# Altium PCB PA_8CH_CTRL.PcbDoc (part 2 of 3)
Units mil, origin at the board's own origin, x right, y up, seen from the top; angles counter-clockwise.
Board outline 10314.96 x 3582.68 mil, 2 copper layers (Top Layer, Bottom Layer); 762 components, 511 nets, 2388 pads, 40 vias.
Unrouted connection lines stored in the file: 1763.
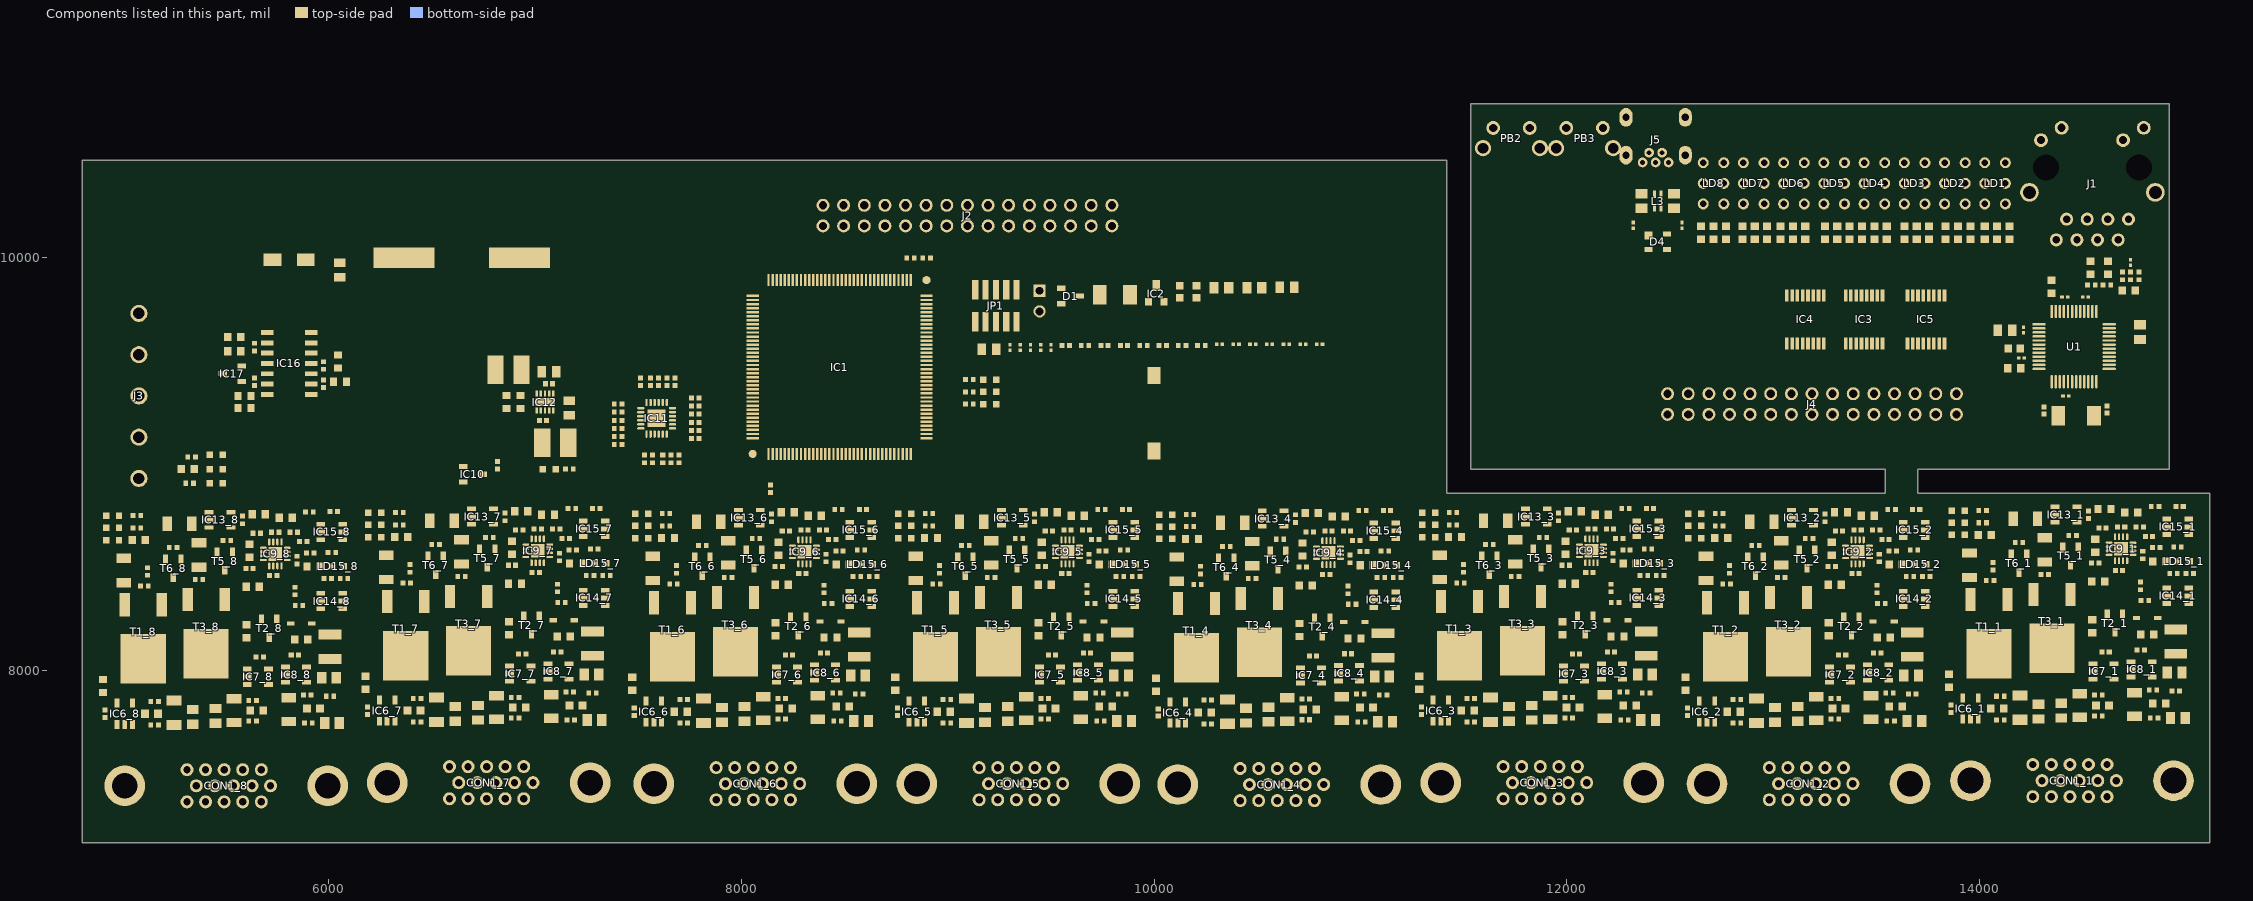
[diagram p2: the components of this part, seen from the top]

## Components (designator, comment, footprint, x,y, rotation, side; value= is the part's Value field where it differs from the comment) (continued)
R55_8 "330" RESC1608X55N 5600,8190 r90 top (schematic designator R55)
R56_1 "330" RESC1608X55N 14562.28,8605 r270 top (schematic designator R56)
R56_2 "330" RESC1608X55N 13285,8590 r270 top (schematic designator R56)
R56_3 "330" RESC1608X55N 11995,8595 r270 top (schematic designator R56)
R56_4 "330" RESC1608X55N 10720,8585.94 r270 top (schematic designator R56)
R56_5 "330" RESC1608X55N 9455,8590 r270 top (schematic designator R56)
R56_6 "330" RESC1608X55N 8180,8590 r270 top (schematic designator R56)
R56_7 "330" RESC1608X55N 6887.28,8595 r270 top (schematic designator R56)
R56_8 "330" RESC1608X55N 5615,8580 r270 top (schematic designator R56)
R57_1 "10k" RESC1005X40N 14792.28,8560 r270 top (schematic designator R57)
R57_2 "10k" RESC1005X40N 13515,8545 r270 top (schematic designator R57)
R57_3 "10k" RESC1005X40N 12225,8550 r270 top (schematic designator R57)
R57_4 "10k" RESC1005X40N 10950,8540.94 r270 top (schematic designator R57)
R57_5 "10k" RESC1005X40N 9685,8545 r270 top (schematic designator R57)
R57_6 "10k" RESC1005X40N 8410,8545 r270 top (schematic designator R57)
R57_7 "10k" RESC1005X40N 7117.28,8550 r270 top (schematic designator R57)
R57_8 "10k" RESC1005X40N 5845,8535 r270 top (schematic designator R57)
R58_1 "10k" RESC1005X40N 14782.28,8410 r270 top (schematic designator R58)
R58_2 "10k" RESC1005X40N 13505,8395 r270 top (schematic designator R58)
R58_3 "10k" RESC1005X40N 12215,8400 r270 top (schematic designator R58)
R58_4 "10k" RESC1005X40N 10940,8390.94 r270 top (schematic designator R58)
R58_5 "10k" RESC1005X40N 9675,8395 r270 top (schematic designator R58)
R58_6 "10k" RESC1005X40N 8400,8395 r270 top (schematic designator R58)
R58_7 "10k" RESC1005X40N 7107.28,8400 r270 top (schematic designator R58)
R58_8 "10k" RESC1005X40N 5835,8385 r270 top (schematic designator R58)
R59_1 "10k" RESC1005X40N 14952.28,7900 r180 top (schematic designator R59)
R59_2 "10k" RESC1005X40N 13675,7885 r180 top (schematic designator R59)
R59_3 "10k" RESC1005X40N 12385,7890 r180 top (schematic designator R59)
R59_4 "10k" RESC1005X40N 11110,7880.94 r180 top (schematic designator R59)
R59_5 "10k" RESC1005X40N 9845,7885 r180 top (schematic designator R59)
R59_6 "10k" RESC1005X40N 8570,7885 r180 top (schematic designator R59)
R59_7 "10k" RESC1005X40N 7277.28,7890 r180 top (schematic designator R59)
R59_8 "10k" RESC1005X40N 6005,7875 r180 top (schematic designator R59)
R60 "2k2" RESC1005X40N 7677.17,9399.61 r270 top
R61 "2k2" RESC1005X40N 7401.57,9291.34 r180 top
R62 "2k2" RESC1005X40N 7637.8,9399.61 r270 top
R63 "2k2" RESC1005X40N 7401.57,9251.97 r180 top
R64 "2k2" RESC1005X40N 7401.57,9212.6 r180 top
R65 "2k2" RESC1005X40N 7401.57,9173.23 r180 top
R66 "0" RESC1005X40N 7775.59,9320.87 r180 top
R67 "0" RESC1005X40N 7559.06,9399.61 r270 top
R68 "2k2" RESC1005X40N 7401.57,9133.86 r180 top
R69 "0" RESC1005X40N 7598.43,9399.61 r270 top
R70 "2k2" RESC1005X40N 7401.57,9094.49 r180 top
R71 "2k2" RESC1005X40N 7529.53,9025.59 r270 top
R72 "2k2" RESC1005X40N 7568.9,9025.59 r270 top
R73 "2k2" RESC1005X40N 7618.11,9025.59 r270 top
R74 "2k2" RESC1005X40N 7657.48,9025.59 r270 top
R75 "2k2" RESC1005X40N 7696.85,9025.59 r270 top
R76 "2k2" RESC1005X40N 7775.59,9124.02 r0 top
R77 "2k2" RESC1005X40N 7775.59,9163.39 r0 top
R78 "2k2" RESC1005X40N 7775.59,9202.76 r0 top
R79 "2k2" RESC1005X40N 7775.59,9242.13 r0 top
R80 "2k2" RESC1005X40N 7775.59,9281.5 r0 top
R81 "270k" RESC1608X55N 6929.13,9301.18 r270 top
R82 "82k" RESC1608X55N 6860.24,9301.18 r90 top
R83 "0" RESC1005X40N 8140.31,8880.91 r90 top
R84_1 "330" RESC1608X55N 14813.43,8174.61 r0 top (schematic designator R84)
R84_2 "330" RESC1608X55N 13536.14,8159.61 r0 top (schematic designator R84)
R84_3 "330" RESC1608X55N 12246.14,8164.61 r0 top (schematic designator R84)
R84_4 "330" RESC1608X55N 10971.14,8155.55 r0 top (schematic designator R84)
R84_5 "330" RESC1608X55N 9706.14,8159.61 r0 top (schematic designator R84)
R84_6 "330" RESC1608X55N 8431.14,8159.61 r0 top (schematic designator R84)
R84_7 "330" RESC1608X55N 7138.43,8164.61 r0 top (schematic designator R84)
R84_8 "330" RESC1608X55N 5866.14,8149.61 r0 top (schematic designator R84)
R85_1 "10k" RESC1005X40N 15020.12,8469.88 r180 top (schematic designator R85)
R85_2 "10k" RESC1005X40N 13742.83,8454.88 r180 top (schematic designator R85)
R85_3 "10k" RESC1005X40N 12452.83,8459.88 r180 top (schematic designator R85)
R85_4 "10k" RESC1005X40N 11177.83,8450.83 r180 top (schematic designator R85)
R85_5 "10k" RESC1005X40N 9912.83,8454.88 r180 top (schematic designator R85)
R85_6 "10k" RESC1005X40N 8637.83,8454.88 r180 top (schematic designator R85)
R85_7 "10k" RESC1005X40N 7345.12,8459.88 r180 top (schematic designator R85)
R85_8 "10k" RESC1005X40N 6072.83,8444.88 r180 top (schematic designator R85)
R86_1 "10k" RESC1005X40N 14528.49,8754.82 r90 top (schematic designator R86)
R86_2 "10k" RESC1005X40N 13251.21,8739.82 r90 top (schematic designator R86)
R86_3 "10k" RESC1005X40N 11961.21,8744.82 r90 top (schematic designator R86)
R86_4 "10k" RESC1005X40N 10686.21,8735.76 r90 top (schematic designator R86)
R86_5 "10k" RESC1005X40N 9421.21,8739.82 r90 top (schematic designator R86)
R86_6 "10k" RESC1005X40N 8146.21,8739.82 r90 top (schematic designator R86)
R86_7 "10k" RESC1005X40N 6853.49,8744.82 r90 top (schematic designator R86)
R86_8 "10k" RESC1005X40N 5581.21,8729.82 r90 top (schematic designator R86)
R87_1 "56k" RESC1608X55N 14606.73,8781.89 r180 top (schematic designator R87)
R87_2 "56k" RESC1608X55N 13329.45,8766.89 r180 top (schematic designator R87)
R87_3 "56k" RESC1608X55N 12039.45,8771.89 r180 top (schematic designator R87)
R87_4 "56k" RESC1608X55N 10764.45,8762.83 r180 top (schematic designator R87)
R87_5 "56k" RESC1608X55N 9499.45,8766.89 r180 top (schematic designator R87)
R87_6 "56k" RESC1608X55N 8224.45,8766.89 r180 top (schematic designator R87)
R87_7 "56k" RESC1608X55N 6931.73,8771.89 r180 top (schematic designator R87)
R87_8 "56k" RESC1608X55N 5659.45,8756.89 r180 top (schematic designator R87)
R88_1 "10k" RESC1005X40N 14941.38,8469.88 r0 top (schematic designator R88)
R88_2 "10k" RESC1005X40N 13664.09,8454.88 r0 top (schematic designator R88)
R88_3 "10k" RESC1005X40N 12374.09,8459.88 r0 top (schematic designator R88)
R88_4 "10k" RESC1005X40N 11099.09,8450.83 r0 top (schematic designator R88)
R88_5 "10k" RESC1005X40N 9834.09,8454.88 r0 top (schematic designator R88)
R88_6 "10k" RESC1005X40N 8559.09,8454.88 r0 top (schematic designator R88)
R88_7 "10k" RESC1005X40N 7266.38,8459.88 r0 top (schematic designator R88)
R88_8 "10k" RESC1005X40N 5994.09,8444.88 r0 top (schematic designator R88)
R89_1 "10k" RESC1005X40N 14852.3,8794.18 r0 top (schematic designator R89)
R89_2 "10k" RESC1005X40N 13575.01,8779.18 r0 top (schematic designator R89)
R89_3 "10k" RESC1005X40N 12285.01,8784.18 r0 top (schematic designator R89)
R89_4 "10k" RESC1005X40N 11010.01,8775.13 r0 top (schematic designator R89)
R89_5 "10k" RESC1005X40N 9745.01,8779.18 r0 top (schematic designator R89)
R89_6 "10k" RESC1005X40N 8470.01,8779.18 r0 top (schematic designator R89)
R89_7 "10k" RESC1005X40N 7177.3,8784.18 r0 top (schematic designator R89)
R89_8 "10k" RESC1005X40N 5905.01,8769.18 r0 top (schematic designator R89)
R90_1 "82" RESC1005X40N 14961.06,8597.83 r180 top (schematic designator R90)
R90_2 "82" RESC1005X40N 13683.78,8582.83 r180 top (schematic designator R90)
R90_3 "82" RESC1005X40N 12393.78,8587.83 r180 top (schematic designator R90)
R90_4 "82" RESC1005X40N 11118.78,8578.78 r180 top (schematic designator R90)
R90_5 "82" RESC1005X40N 9853.78,8582.83 r180 top (schematic designator R90)
R90_6 "82" RESC1005X40N 8578.78,8582.83 r180 top (schematic designator R90)
R90_7 "82" RESC1005X40N 7286.06,8587.83 r180 top (schematic designator R90)
R90_8 "82" RESC1005X40N 6013.78,8572.83 r180 top (schematic designator R90)
R91 "56k" RESC1608X55N 6053.15,9399.61 r0 top
R92 "10k" RESC1005X40N 5639.76,9566.93 r90 top
R93 "10k" RESC1005X40N 5974.41,9389.76 r270 top
R94 "18k" RESC1608X55N 5541.34,9616.14 r180 top
R95 "13k" RESC1608X55N 5541.34,9547.24 r180 top
R96 "20k" RESC1608X55N 5590.55,9271.65 r180 top
R97 "1k" RESC1608X55N 5590.55,9330.71 r0 top
R98 "7k5" RESC1608X55N 6043.31,9498.03 r90 top
R99 "2k2" RESC1005X40N 5974.41,9478.35 r270 top
R100 "2k2" RESC1005X40N 5639.76,9399.61 r90 top
R101 "2k2" RESC1005X40N 9104.33,9409.45 r0 top
R102 "2k2" RESC1005X40N 9104.33,9350.39 r0 top
R103 "2k2" RESC1005X40N 9104.33,9291.34 r0 top
R104_1 "10k" RESC1005X40N 14016.18,8775 r180 top (schematic designator R104)
R104_2 "10k" RESC1005X40N 12738.9,8760 r180 top (schematic designator R104)
R104_3 "10k" RESC1005X40N 11448.9,8765 r180 top (schematic designator R104)
R104_4 "10k" RESC1005X40N 10173.9,8755.94 r180 top (schematic designator R104)
R104_5 "10k" RESC1005X40N 8908.9,8760 r180 top (schematic designator R104)
R104_6 "10k" RESC1005X40N 7633.9,8760 r180 top (schematic designator R104)
R104_7 "10k" RESC1005X40N 6341.18,8765 r180 top (schematic designator R104)
R104_8 "10k" RESC1005X40N 5068.9,8750 r180 top (schematic designator R104)
R105_1 "56k" RESC1608X55N 14026.02,8656.89 r0 top (schematic designator R105)
R105_2 "56k" RESC1608X55N 12748.74,8641.89 r0 top (schematic designator R105)
R105_3 "56k" RESC1608X55N 11458.74,8646.89 r0 top (schematic designator R105)
R105_4 "56k" RESC1608X55N 10183.74,8637.83 r0 top (schematic designator R105)
R105_5 "56k" RESC1608X55N 8918.74,8641.89 r0 top (schematic designator R105)
R105_6 "56k" RESC1608X55N 7643.74,8641.89 r0 top (schematic designator R105)
R105_7 "56k" RESC1608X55N 6351.02,8646.89 r0 top (schematic designator R105)
R105_8 "56k" RESC1608X55N 5078.74,8631.89 r0 top (schematic designator R105)
R106_1 "10k" RESC1005X40N 14016.18,8715.94 r0 top (schematic designator R106)
R106_2 "10k" RESC1005X40N 12738.9,8700.94 r0 top (schematic designator R106)
R106_3 "10k" RESC1005X40N 11448.9,8705.94 r0 top (schematic designator R106)
R106_4 "10k" RESC1005X40N 10173.9,8696.89 r0 top (schematic designator R106)
R106_5 "10k" RESC1005X40N 8908.9,8700.94 r0 top (schematic designator R106)
R106_6 "10k" RESC1005X40N 7633.9,8700.94 r0 top (schematic designator R106)
R106_7 "10k" RESC1005X40N 6341.18,8705.94 r0 top (schematic designator R106)
R106_8 "10k" RESC1005X40N 5068.9,8690.94 r0 top (schematic designator R106)
R107_1 "330" RESC1608X55N 14872.48,8528.94 r180 top (schematic designator R107)
R107_2 "330" RESC1608X55N 13595.2,8513.94 r180 top (schematic designator R107)
R107_3 "330" RESC1608X55N 12305.2,8518.94 r180 top (schematic designator R107)
R107_4 "330" RESC1608X55N 11030.2,8509.88 r180 top (schematic designator R107)
R107_5 "330" RESC1608X55N 9765.2,8513.94 r180 top (schematic designator R107)
R107_6 "330" RESC1608X55N 8490.2,8513.94 r180 top (schematic designator R107)
R107_7 "330" RESC1608X55N 7197.48,8518.94 r180 top (schematic designator R107)
R107_8 "330" RESC1608X55N 5925.2,8503.94 r180 top (schematic designator R107)
R108 "10k" RESC1005X40N 5324.8,8907.48 r0 top
R109 "10k" RESC1005X40N 5334.65,9035.43 r0 top
R110 "56k" RESC1608X55N 5314.96,8976.38 r180 top
R111 "2k2" RESC1005X40N 7165.35,8976.38 r0 top
R112 "10k" RESC1005X40N 8818.9,10000 r0 top
R113 "10k" RESC1005X40N 8897.64,10000 r0 top
T1_1 "FDD5614P" TO228P991X238-3N-R546X521 14047.28,8180 r270 top (schematic designator T1)
T1_2 "FDD5614P" TO228P991X238-3N-R546X521 12770,8165 r270 top (schematic designator T1)
T1_3 "FDD5614P" TO228P991X238-3N-R546X521 11480,8170 r270 top (schematic designator T1)
T1_4 "FDD5614P" TO228P991X238-3N-R546X521 10205,8160.94 r270 top (schematic designator T1)
T1_5 "FDD5614P" TO228P991X238-3N-R546X521 8940,8165 r270 top (schematic designator T1)
T1_6 "FDD5614P" TO228P991X238-3N-R546X521 7665,8165 r270 top (schematic designator T1)
T1_7 "FDD5614P" TO228P991X238-3N-R546X521 6372.28,8170 r270 top (schematic designator T1)
T1_8 "FDD5614P" TO228P991X238-3N-R546X521 5100,8155 r270 top (schematic designator T1)
T2_1 "BSS138LT1G" SOT95P240X110-3N 14657.28,8230 r270 top (schematic designator T2)
T2_2 "BSS138LT1G" SOT95P240X110-3N 13380,8215 r270 top (schematic designator T2)
T2_3 "BSS138LT1G" SOT95P240X110-3N 12090,8220 r270 top (schematic designator T2)
T2_4 "BSS138LT1G" SOT95P240X110-3N 10815,8210.94 r270 top (schematic designator T2)
T2_5 "BSS138LT1G" SOT95P240X110-3N 9550,8215 r270 top (schematic designator T2)
T2_6 "BSS138LT1G" SOT95P240X110-3N 8275,8215 r270 top (schematic designator T2)
T2_7 "BSS138LT1G" SOT95P240X110-3N 6982.28,8220 r270 top (schematic designator T2)
T2_8 "BSS138LT1G" SOT95P240X110-3N 5710,8205 r270 top (schematic designator T2)
T3_1 "FDD5614P" TO228P991X238-3N-R546X521 14352.28,8205 r270 top (schematic designator T3)
T3_2 "FDD5614P" TO228P991X238-3N-R546X521 13075,8190 r270 top (schematic designator T3)
T3_3 "FDD5614P" TO228P991X238-3N-R546X521 11785,8195 r270 top (schematic designator T3)
T3_4 "FDD5614P" TO228P991X238-3N-R546X521 10510,8185.94 r270 top (schematic designator T3)
T3_5 "FDD5614P" TO228P991X238-3N-R546X521 9245,8190 r270 top (schematic designator T3)
T3_6 "FDD5614P" TO228P991X238-3N-R546X521 7970,8190 r270 top (schematic designator T3)
T3_7 "FDD5614P" TO228P991X238-3N-R546X521 6677.28,8195 r270 top (schematic designator T3)
T3_8 "FDD5614P" TO228P991X238-3N-R546X521 5405,8180 r270 top (schematic designator T3)
T5_1 "BSS138LT1G" SOT95P240X110-3N 14442.28,8555 r270 top (schematic designator T5)
T5_2 "BSS138LT1G" SOT95P240X110-3N 13165,8540 r270 top (schematic designator T5)
T5_3 "BSS138LT1G" SOT95P240X110-3N 11875,8545 r270 top (schematic designator T5)
T5_4 "BSS138LT1G" SOT95P240X110-3N 10600,8535.94 r270 top (schematic designator T5)
T5_5 "BSS138LT1G" SOT95P240X110-3N 9335,8540 r270 top (schematic designator T5)
T5_6 "BSS138LT1G" SOT95P240X110-3N 8060,8540 r270 top (schematic designator T5)
T5_7 "BSS138LT1G" SOT95P240X110-3N 6767.28,8545 r270 top (schematic designator T5)
T5_8 "BSS138LT1G" SOT95P240X110-3N 5495,8530 r270 top (schematic designator T5)
T6_1 "BSS138LT1G" SOT95P240X110-3N 14192.28,8520 r270 top (schematic designator T6)
T6_2 "BSS138LT1G" SOT95P240X110-3N 12915,8505 r270 top (schematic designator T6)
T6_3 "BSS138LT1G" SOT95P240X110-3N 11625,8510 r270 top (schematic designator T6)
T6_4 "BSS138LT1G" SOT95P240X110-3N 10350,8500.94 r270 top (schematic designator T6)
T6_5 "BSS138LT1G" SOT95P240X110-3N 9085,8505 r270 top (schematic designator T6)
T6_6 "BSS138LT1G" SOT95P240X110-3N 7810,8505 r270 top (schematic designator T6)
T6_7 "BSS138LT1G" SOT95P240X110-3N 6517.28,8510 r270 top (schematic designator T6)
T6_8 "BSS138LT1G" SOT95P240X110-3N 5245,8495 r270 top (schematic designator T6)
U1 "W5500" WIZ-W5500-LQFP-48_M 14459.45,9569.96 r270 top
X1 "QSDG25M000-TXC" XTAL_5.0*3.2 14469.45,9234.96 r0 top

## Footprints (in the part's own frame and the unit in brackets; to place one, negate y for a bottom-side part, rotate by r counter-clockwise, add the part's x,y. Pads: shape width x height; smd on the part's side, far side on the other; paste and mask are expansions set on the pad)
3M_N2530-6002RB [mm] "30 Contacts - Straight .100\" x .100\" Low Profile Four-Wall Header"
  round 1.6 hole 1: 1(-17.78,-1.27) 2(-17.78,1.27) 3(-15.24,-1.27) 4(-15.24,1.27) 5(-12.7,-1.27) 6(-12.7,1.27) 7(-10.16,-1.27) 8(-10.16,1.27) 9(-7.62,-1.27) 10(-7.62,1.27) 11(-5.08,-1.27) 12(-5.08,1.27) 13(-2.54,-1.27) 14(-2.54,1.27) 15(0,-1.27) 16(0,1.27) 17(2.54,-1.27) 18(2.54,1.27) 19(5.08,-1.27) 20(5.08,1.27) 21(7.62,-1.27) 22(7.62,1.27) 23(10.16,-1.27) 24(10.16,1.27) 25(12.7,-1.27) 26(12.7,1.27) 27(15.24,-1.27) 28(15.24,1.27) 29(17.78,-1.27) 30(17.78,1.27)
  silkscreen extent -22.71,-4.85 22.71,4.52, body extent -22.71,-4.11 22.71,4.52, height 9.91
CAPAE1900X1680N [mm] "Capacitor,Aluminum Electrolytic; 19.00mm L X 19.00mm W X 16.80mm H , IPC Medium Density"
  rect 7.5x2.5 smd: 1(-7.1,0) 2(7.1,0)
  silkscreen extent -10.72,-9.5 9.5,9.5, body extent -10.5,-9.6 10.5,9.6, height 16.8
CAPC0603X33N [mm] "Chip Capacitor, Body 0.6x0.30mm, IPC Medium Density"
  rect 0.45x0.4 smd: 1(-0.35,0) 2(0.35,0)
  body extent -0.31,-0.16 0.32,0.17, height 0.33
CAPC1005X55N [mm] "Chip Capacitor, Body 1.0x0.55mm, IPC Medium Density"
  rect 0.62x0.62 smd: 1(-0.45,0) 2(0.45,0)
  body extent -0.52,-0.27 0.53,0.28, height 0.55
CAPC1608X87N [mm] "Chip Capacitor, Body 1.6x0.8mm IPC Medium Density"
  rect 0.95x1 smd: 1(-0.8,0) 2(0.8,0)
  body extent -0.87,-0.47 0.88,0.48, height 0.87
CAPC1608X90N [mm] "Chip Capacitor, Body 1.6x0.8mm IPC Medium Density"
  rect 0.95x0.95 smd: 1(-0.75,0) 2(0.75,0)
  body extent -0.85,-0.45 0.85,0.45, height 0.9
CAPC1709X95N [mm] "Capacitor, non-Polarized, Chip; 1.65mm L X 0.85mm W X 0.95mm H,IPC Medium Density"
  rect 0.95x1 smd: 1(-0.75,0) 2(0.75,0)
  body extent -0.87,-0.47 0.88,0.48, height 0.95
CAPC2012X110N [mm] "Chip Capacitor, Body 2.0x1.25mm, IPC Medium Density"
  rect 1.15x1.45 smd: 1(-0.9,0) 2(0.9,0)
  silkscreen extent 0,-0.58 0,0.58, body extent -1.05,-0.67 1.05,0.68, height 1.1
CAPC2012X135N [mm] "Chip Capacitor, Body 2.0x1.25mm, IPC Medium Density"
  rect 1.05x1.4 smd: 1(-0.9,0) 2(0.9,0)
  silkscreen extent 0,-0.58 0,0.58, body extent -1.05,-0.67 1.05,0.68, height 1.25
CAPC3216X140N [mm] "Chip Capacitor, Body 3.2x1.6mm, IPC Medium Density"
  rect 1.15x1.8 smd: 1(-1.5,0) 2(1.5,0)
  silkscreen extent -0.5,-0.9 0.5,0.9, body extent -1.7,-0.9 1.7,0.9, height 1.4
CAPC3216X180N [mm] "Chip Capacitor, Body 3.2x1.6mm, IPC Medium Density"
  rect 1.15x1.8 smd: 1(-1.5,0) 2(1.5,0)
  silkscreen extent -0.55,-0.8 0.55,0.8, body extent -1.7,-0.9 1.7,0.9, height 1.8
DB15_HD_V_DHI15S-LF [mm]
  round 5 hole 3.18: 0(-12.497,0) 0(12.497,0)
  round 1.6 hole 0.9: 1(-4.318,-1.98) 2(-2.032,-1.98) 3(0.254,-1.98) 4(2.54,-1.98) 5(4.826,-1.98) 6(-5.461,0) 7(-3.175,0) 8(-0.889,0) 9(1.397,0) 10(3.683,0) 11(-4.318,1.98) 12(-2.032,1.98) 13(0.254,1.98) 14(2.54,1.98) 15(4.826,1.98)
  silkscreen extent -15.25,-6.3 15.75,6.34, body extent -15.38,-6.27 15.43,6.27, height 13.03
DIOM5127X229N [mm] "DO-214-AC/SMA Molded Diode, 2-Leads, Body 5.1x2.7mm, IPC Medium Density"
  rect 2.2x1.55 smd: 1(-2.05,0) 2(2.05,0)
  silkscreen extent -3.43,-1.4 2.65,1.45, body extent -2.67,-1.45 2.68,1.45, height 2.29
FUSRC3226X85N [mm] "Chip Resettable Fuse, 2-Leads, Body 3.2mm x 2.6mm, IPC Medium Density"
  rect 1.2x2.8 smd: 1(-1.5,0) 2(1.5,0)
  silkscreen extent -0.55,-1.3 0.55,1.3, body extent -1.7,-1.4 1.7,1.4, height 0.85
IND_MURATA-PS_8400 [mm] "Miniature Surface Mount Power Inductors, 4.5mm L X 3.3mm W X 2.9mm H, MURATA 8400 Serie"
  rect 2x3.5 smd: 1(-1.6,0) 2(1.6,0)
  silkscreen extent -0.3,-1.8 0.3,1.8, body extent -2.4,-1.8 2.4,1.8, height 2.9
IND_MURATA_DLW21S [mm] "Common Mode Choke Coil, DLW21S Series - Body 2 x 1.2mm"
  rect 0.9x0.4 smd: 1(-0.85,-0.4) 2(0.85,-0.4) 3(0.85,0.4) 4(-0.85,0.4)
  silkscreen extent -1.92,-0.6 0,0.6, body extent -1,-0.6 1,0.6, height 1.4
INDC2012X105N [mm] "Chip Inductor, EIA 0805, Metric 2012, Body 2.0x1.25mm, IPC Medium Density"
  rect 1.15x1.45 smd: 1(-0.9,0) 2(0.9,0)
  silkscreen extent 0,-0.6 0,0.6, body extent -1.1,-0.7 1.1,0.7, height 1.1
jump [mm]
  rect 1.5x1.5 hole 0.965: 1(0,0)
  round 1.5 hole 0.965: 2(0,-2.54)
  silkscreen extent -1.2,-3.81 1.2,1.27, body extent -1.26,-3.84 1.19,1.24, height 8
LED_MENTOR_1882.2781 [mm] "3x LED 3mm (Red+Yellow +Green) PCB Edge Mounting MENTOR 1882.2781"
  round 1.35 hole 0.8: 1(-2.54,1.27) 2(-2.54,-1.27) 3(0,1.27) 4(0,-1.27) 5(2.54,1.27) 6(2.54,-1.27)
  silkscreen extent -12.9,-2.47 3.1,2.83, body extent -12.88,-2.47 3.12,2.98, height 12
LED_OSRAM_LGL29K [mm] "Green Chip LED, 2-Leads, Body 1.7x0.8mm, IPC Medium Density"
  rect 0.8x0.8 smd: 1(-0.8,0) 2(0.8,0)
  silkscreen extent -1.93,-0.4 0.1,0.4, body extent -0.85,-0.4 0.85,0.4, height 0.67
"LED_OSRAM_LS Q976" [mm] "Chip Super RED LED, 2-Leads, Body 1.6x0.8mm"
  rect 0.5x0.8 smd: 1(-0.875,0) 2(0.875,0)
  rect 0.3x0.35 smd: 1(-0.475,0) 2(0.475,0)
  silkscreen extent -1.88,-0.53 0.28,0.53, body extent -0.8,-0.4 0.8,0.4, height 0.8
PB_TYCO_1-1825027-1 [mm] "Right Angle Micro Miniature Tactile Pushbutton Switche, Round Actuator Length = 5.74mm, FSMRAJ Serie"
  round 1.7 hole 1: 1(0,-2.25) 2(0,2.25)
  round 2 hole 1.3: 3(2.49,-3.505) 4(2.49,3.505)
  silkscreen extent -8.36,-3.56 4,3.56, body extent -8.36,-4.2 4,4.2, height 7.01
PB_TYCO_FSMSM [mm] "Body 3.5x6.0mm, Pushbutton Switch,  TYCO FSMSM Serie"
  rect 2.1x1.6 smd: 1(-4.65,0) 2(4.65,0)
  silkscreen extent -3,-1.75 3,1.75, body extent -5,-1.75 5,1.75, height 4.3
PHOENIX_1755765 [mm] "PCB Header, 12A 250 V, Pitch: 2.54mm, 5 Positions, MSTBVA Serie"
  round 2.1 hole 1.4: 1(-10.16,0) 2(-5.08,0) 3(0,0) 4(5.08,0) 5(10.16,0)
  silkscreen extent -13.7,-3.84 13.7,4.77, body extent -13.7,-3.83 13.7,4.77, height 12
PLHTD10S-TR-CV [mm] "SMT 1.27 mm dual goldpin"
  rect 0.76x2.4 smd: 1(-5.715,-1.95) 2(-5.715,1.95) 3(-4.445,-1.95) 4(-4.445,1.95) 5(-3.175,-1.95) 6(-3.175,1.95) 7(-1.905,-1.95) 8(-1.905,1.95) 9(-0.635,-1.95) 10(-0.635,1.95)
  silkscreen extent -6.7,-2.58 0.3,2.5, body extent -6.5,-2.15 0.1,2.15, height 4.5
QFN50P400X400X100-25N-S220 [mm] "QFN, 0.50mm Pitch, Square; 24 Pin, 4.00mm L X 4.00mm W X 1.00mm H body (w/thermal tab 2.2 X 2.2mm), IPC Medium Density"
  oval 0.9x0.3 smd: 1(-1.95,1.25) 2(-1.95,0.75) 3(-1.95,0.25) 4(-1.95,-0.25) 5(-1.95,-0.75) 6(-1.95,-1.25) 13(1.95,-1.25) 14(1.95,-0.75) 15(1.95,-0.25) 16(1.95,0.25) 17(1.95,0.75) 18(1.95,1.25)
  oval 0.3x0.9 smd: 7(-1.25,-1.95) 8(-0.75,-1.95) 9(-0.25,-1.95) 10(0.25,-1.95) 11(0.75,-1.95) 12(1.25,-1.95) 19(1.25,1.95) 20(0.75,1.95) 21(0.25,1.95) 22(-0.25,1.95) 23(-0.75,1.95) 24(-1.25,1.95)
  rect 2.2x2.2 smd: 25(0,0)
  silkscreen extent -3.12,-2 2,2, body extent -2.07,-2.07 2.08,2.08, height 1
QFP50P2200X2200X160-144N [mm] "QFP, 144-Leads, Body 20x20mm (BSC), Pitch 0.50mm, IPC Medium Density"
  rect 1.5x0.3 smd: 1(-10.7,8.75) 2(-10.7,8.25) 3(-10.7,7.75) 4(-10.7,7.25) 5(-10.7,6.75) 6(-10.7,6.25) 7(-10.7,5.75) 8(-10.7,5.25) 9(-10.7,4.75) 10(-10.7,4.25) 11(-10.7,3.75) 12(-10.7,3.25) 13(-10.7,2.75) 14(-10.7,2.25) 15(-10.7,1.75) 16(-10.7,1.25) 17(-10.7,0.75) 18(-10.7,0.25) 19(-10.7,-0.25) 20(-10.7,-0.75) 21(-10.7,-1.25) 22(-10.7,-1.75) 23(-10.7,-2.25) 24(-10.7,-2.75) 25(-10.7,-3.25) 26(-10.7,-3.75) 27(-10.7,-4.25) 28(-10.7,-4.75) 29(-10.7,-5.25) 30(-10.7,-5.75) 31(-10.7,-6.25) 32(-10.7,-6.75) 33(-10.7,-7.25) 34(-10.7,-7.75) 35(-10.7,-8.25) 36(-10.7,-8.75) 73(10.7,-8.75) 74(10.7,-8.25) 75(10.7,-7.75) 76(10.7,-7.25) 77(10.7,-6.75) 78(10.7,-6.25) 79(10.7,-5.75) 80(10.7,-5.25) 81(10.7,-4.75) 82(10.7,-4.25) 83(10.7,-3.75) 84(10.7,-3.25) 85(10.7,-2.75) 86(10.7,-2.25) 87(10.7,-1.75) 88(10.7,-1.25) 89(10.7,-0.75) 90(10.7,-0.25) 91(10.7,0.25) 92(10.7,0.75) 93(10.7,1.25) 94(10.7,1.75) 95(10.7,2.25) 96(10.7,2.75) 97(10.7,3.25) 98(10.7,3.75) 99(10.7,4.25) 100(10.7,4.75) 101(10.7,5.25) 102(10.7,5.75) 103(10.7,6.25) 104(10.7,6.75) 105(10.7,7.25) 106(10.7,7.75) 107(10.7,8.25) 108(10.7,8.75)
  rect 0.3x1.5 smd: 37(-8.75,-10.7) 38(-8.25,-10.7) 39(-7.75,-10.7) 40(-7.25,-10.7) 41(-6.75,-10.7) 42(-6.25,-10.7) 43(-5.75,-10.7) 44(-5.25,-10.7) 45(-4.75,-10.7) 46(-4.25,-10.7) 47(-3.75,-10.7) 48(-3.25,-10.7) 49(-2.75,-10.7) 50(-2.25,-10.7) 51(-1.75,-10.7) 52(-1.25,-10.7) 53(-0.75,-10.7) 54(-0.25,-10.7) 55(0.25,-10.7) 56(0.75,-10.7) 57(1.25,-10.7) 58(1.75,-10.7) 59(2.25,-10.7) 60(2.75,-10.7) 61(3.25,-10.7) 62(3.75,-10.7) 63(4.25,-10.7) 64(4.75,-10.7) 65(5.25,-10.7) 66(5.75,-10.7) 67(6.25,-10.7) 68(6.75,-10.7) 69(7.25,-10.7) 70(7.75,-10.7) 71(8.25,-10.7) 72(8.75,-10.7) 109(8.75,10.7) 110(8.25,10.7) 111(7.75,10.7) 112(7.25,10.7) 113(6.75,10.7) 114(6.25,10.7) 115(5.75,10.7) 116(5.25,10.7) 117(4.75,10.7) 118(4.25,10.7) 119(3.75,10.7) 120(3.25,10.7) 121(2.75,10.7) 122(2.25,10.7) 123(1.75,10.7) 124(1.25,10.7) 125(0.75,10.7) 126(0.25,10.7) 127(-0.25,10.7) 128(-0.75,10.7) 129(-1.25,10.7) 130(-1.75,10.7) 131(-2.25,10.7) 132(-2.75,10.7) 133(-3.25,10.7) 134(-3.75,10.7) 135(-4.25,10.7) 136(-4.75,10.7) 137(-5.25,10.7) 138(-5.75,10.7) 139(-6.25,10.7) 140(-6.75,10.7) 141(-7.25,10.7) 142(-7.75,10.7) 143(-8.25,10.7) 144(-8.75,10.7)
  round 1 smd paste-0.51 mask+0.5: FTG1(-10.7,-10.7) FTG2(10.7,10.7)
  Top Layer keep-out circle w0.1: c-10.7,-10.7 r1
  Top Layer keep-out circle w0.1: c10.7,10.7 r1
  silkscreen extent -10.82,-9.55 9.55,9.57, body extent -11,-11 11,11, height 1.6
RESC1005X40N [mm] "Chip Resistor, EIA 0402, Metric 1005, Body 1.0x0.5mm, IPC Medium Density"
  rect 0.58x0.62 smd: 1(-0.47,0) 2(0.47,0)
  body extent -0.52,-0.27 0.53,0.28, height 0.4
RESC1608X55N [mm] "Chip Resistor, EIA 0603, Metric 1608, Body 1.6x0.8mm, IPC Medium Density"
  rect 0.9x1 smd: 1(-0.8,0) 2(0.8,0)
  body extent -0.87,-0.47 0.88,0.48, height 0.55
RESC3216X65N [mm] "Chip Resistor, EIA 1206, Metric 3216, Body 3.2x1.6mm, IPC Medium Density"
  rect 1.15x1.8 smd: 1(-1.45,0) 2(1.45,0)
  silkscreen extent -0.5,-0.9 0.5,0.9, body extent -1.67,-0.87 1.68,0.88, height 0.65
RESC3216X80N [mm] "Chip Resistor, EIA 1206, Metric 3216, Body 3.2x1.6mm, IPC Medium Density"
  rect 1.25x1.85 smd: 1(-1.5,0) 2(1.5,0)
  silkscreen extent -0.5,-0.8 0.5,0.8, body extent -1.67,-0.87 1.68,0.88, height 0.8
SOD2512X110N [mm] "Small Outline Diode Flat Lead (SOD-323), 1.70mm W X 1.25mm L X 1.10mm H body,  IPC Medium Density"
  rect 0.9x0.5 smd: 1(-1.3,0) 2(1.3,0)
  silkscreen extent -1.62,-0.65 0.85,0.87, body extent -1.35,-0.67 1.35,0.68, height 1.1
SOIC127P600X175-14N [mm] "SOIC 14, Pitch 1.27mm - Body 4x8.75mm, IPC Medium Density"
  rect 1.55x0.6 smd: 1(-2.7,3.81) 2(-2.7,2.54) 3(-2.7,1.27) 4(-2.7,0) 5(-2.7,-1.27) 6(-2.7,-2.54) 7(-2.7,-3.81) 8(2.7,-3.81) 9(2.7,-2.54) 10(2.7,-1.27) 11(2.7,0) 12(2.7,1.27) 13(2.7,2.54) 14(2.7,3.81)
  silkscreen extent -2.52,-4.4 1.55,4.78, body extent -3.1,-4.37 3.1,4.38, height 1.75
SON50P200X300X80-11N-R94X250 [mm] "SON, 10-Leads, Body 2x3mm, Pitch 0.5mm, Thermal Pad 0.94x2.5mm, IPC Medium Density"
  rect 0.7x0.3 smd: 1(-1.05,1) 2(-1.05,0.5) 3(-1.05,0) 4(-1.05,-0.5) 5(-1.05,-1) 6(1.05,-1) 7(1.05,-0.5) 8(1.05,0) 9(1.05,0.5) 10(1.05,1)
  rect 0.94x2.5 smd: 11(0,0)
  silkscreen extent -1.5,-1.55 1.05,1.6, body extent -1.05,-1.55 1.05,1.55, height 0.8
SOP65P640X120-16N [mm] "SOP, 0.65mm pitch; 16 pin, 4.40mm W X 5.00mm L X 1.20mm H body IPC Medium Density"
  rect 1.45x0.45 smd: 1(-2.95,2.275) 2(-2.95,1.625) 3(-2.95,0.975) 4(-2.95,0.325) 5(-2.95,-0.325) 6(-2.95,-0.975) 7(-2.95,-1.625) 8(-2.95,-2.275) 9(2.95,-2.275) 10(2.95,-1.625) 11(2.95,-0.975) 12(2.95,-0.325) 13(2.95,0.325) 14(2.95,0.975) 15(2.95,1.625) 16(2.95,2.275)
  silkscreen extent -3.07,-2.55 1.85,3.17, body extent -3.12,-2.55 3.12,2.55, height 1.2
SOT95P237X112-3N [mm] "SOT, 0.95mm, pitch; 3 pin,1.30mm W X 2.92mm L X 1.12mm H body, IPC Medium Density"
  rect 1.05x0.6 smd: 1(-1.15,0.95) 2(-1.15,-0.95) 3(1.15,0)
  silkscreen extent -1.53,-1.45 0.3,1.87, body extent -1.25,-1.5 1.25,1.5, height 1.1
SOT95P240X110-3N [mm] "SOT23 3-Leads, Pitch 0.95mm, Body 1.3x2.9mm, IPC Medium Density"
  rect 1.05x0.65 smd: 1(-1.15,0.95) 2(-1.15,-0.95) 3(1.15,0)
  silkscreen extent -1.52,-1.45 0.3,1.92, body extent -1.25,-1.5 1.25,1.5, height 1.1
SOT95P240X130-3N [mm] "SOT23 3-Leads, Pitch 0.95mm - Body 1.3x2.9mm, IPC Medium Density"
  rect 1.05x0.65 smd: 1(-1.15,0.95) 2(-1.15,-0.95) 3(1.15,0)
  silkscreen extent -1.52,-1.45 0.3,1.92, body extent -1.25,-1.5 1.25,1.5, height 1.3
SOT95P251X112-3N [mm] "SOT23 3-Leads, Pitch 0.95mm - Body 1.3x2.9mm, IPC Medium Density"
  rect 1.05x0.65 smd: 1(-1.2,0.95) 2(-1.2,-0.95) 3(1.2,0)
  silkscreen extent -1.57,-1.45 0.35,1.92, body extent -1.27,-1.5 1.27,1.5, height 1.12
SOT95P280X100-5N [mm] "SOT23, 0.95mm pitch; 5 pin, 1.625mm W X 2.9mm L, IPC Medium"
  rect 1.1x0.55 smd: 1(-1.35,0.95) 2(-1.35,0) 3(-1.35,-0.95) 4(1.35,-0.95) 5(1.35,0.95)
  silkscreen extent -1.77,-1.45 0.48,1.87, body extent -1.4,-1.5 1.4,1.5, height 1
SOT95P280X145-5N [mm] "SOT, 0.95mm pitch; 5 pin, 1.60mm W X 2.90mm L X 1.45mm H body, IPC Medium Density"
  rect 1.1x0.6 smd: 1(-1.3,0.95) 2(-1.3,0) 3(-1.3,-0.95) 4(1.3,-0.95) 5(1.3,0.95)
  silkscreen extent -1.72,-1.45 0.43,1.87, body extent -1.4,-1.5 1.4,1.5, height 1.45
SOT95P280X145-6N [mm] "SOT23, 6-Leads, Body 1.6x3.0mm, Pitch 0.95mm, IPC Medium Density"
  rect 1.05x0.6 smd: 1(-1.35,0.95) 2(-1.35,0) 3(-1.35,-0.95) 4(1.35,-0.95) 5(1.35,0) 6(1.35,0.95)
  silkscreen extent -1.77,-1.55 0.45,1.92, body extent -1.4,-1.5 1.4,1.5, height 1.45
SOT190P230X110-4N [mm] "SOT143, SOT, 1.90mm Pitch; 4 Pin, 1.30mm W X 2.90mm L X 1.10mm H body, IPC Medium Density"
  rect 1x1 smd: 1(-1.15,0.75)
  rect 1x0.6 smd: 2(-1.15,-0.95) 3(1.15,-0.95) 4(1.15,0.95)
  silkscreen extent -1.52,-1.45 0.33,1.87, body extent -1.25,-1.5 1.25,1.5, height 1.1
SOT-23 [mil]
  rect 36x36 smd: 1(0,0) 2(75,0)
  rect 36x50 smd: 3(38,80)
  silkscreen extent -20,-5 95,85, body extent -21,-5 97,93, height 47
TI-RTE16-1700X1700TP_V [mm] "QFN, 16-Leads, Body 3x3mm, Pitch 0.5mm, Thermal Pad 1.7x1.7mm"
  oval 0.85x0.28 smd: 1(-1.475,0.75) 2(-1.475,0.25) 3(-1.475,-0.25) 4(-1.475,-0.75) 9(1.475,-0.75) 10(1.475,-0.25) 11(1.475,0.25) 12(1.475,0.75)
  oval 0.28x0.85 smd: 5(-0.75,-1.475) 6(-0.25,-1.475) 7(0.25,-1.475) 8(0.75,-1.475) 13(0.75,1.475) 14(0.25,1.475) 15(-0.25,1.475) 16(-0.75,1.475)
  rect 1.7x1.7 smd: 17(0,0)
  silkscreen extent -2.35,-1.57 1.57,1.58, body extent -1.5,-1.5 1.5,1.5, height 0.8
TO228P991X238-3N-R546X521 [mm] "TO-252AA DPAK TO, 2.28mm pitch; 2 pin,9.905mm L X 6.095mm W X 2.38mm H body, IPC Medium Density"
  rect 2.85x1.25 smd: 1(-4.15,2.28) 2(-4.15,-2.28)
  rect 6.1x5.55 smd: 3(2.5,0)
  silkscreen extent -5.42,-3.25 -0.9,3.58, body extent -5,-3.38 5.27,3.37, height 2.38
TYCO_5-6605308-1 [mm] "1 Port, Yellow/Green LEDs, RJ45 10/100Base-T Ethernet, Mag45 Connector Module With Integrated Magnetics"
  round 1.6 hole 0.9: 1(-4.445,-1.27) 2(-3.175,1.27) 3(-1.905,-1.27) 4(-0.635,1.27) 5(0.635,-1.27) 6(1.905,1.27) 7(3.175,-1.27) 8(4.445,1.27)
  round 2.3 hole 1.6: 9(-7.747,-4.572) 10(7.747,-4.572)
  round 1.7 hole 1: D1(-6.325,-12.522) D2(-3.785,-10.998) D3(6.325,-10.998) D4(3.785,-12.522)
  round 0.5 hole 3.2 unplated mask+1.35: M1(-5.715,-7.62) M2(5.715,-7.62)
  silkscreen extent -8.95,-18.59 8.95,2.41, body extent -8.95,-18.6 8.95,2.41, height 14.97
WIZ-W5500-LQFP-48_M [mm] "LQFP, 48-Leads, Body 7.00x7.00mm, Pitch 0.50mm, IPC Low Density"
  oval 1.65x0.3 smd: 1(-4.325,2.75) 2(-4.325,2.25) 3(-4.325,1.75) 4(-4.325,1.25) 5(-4.325,0.75) 6(-4.325,0.25) 7(-4.325,-0.25) 8(-4.325,-0.75) 9(-4.325,-1.25) 10(-4.325,-1.75) 11(-4.325,-2.25) 12(-4.325,-2.75) 25(4.325,-2.75) 26(4.325,-2.25) 27(4.325,-1.75) 28(4.325,-1.25) 29(4.325,-0.75) 30(4.325,-0.25) 31(4.325,0.25) 32(4.325,0.75) 33(4.325,1.25) 34(4.325,1.75) 35(4.325,2.25) 36(4.325,2.75)
  oval 0.3x1.65 smd: 13(-2.75,-4.325) 14(-2.25,-4.325) 15(-1.75,-4.325) 16(-1.25,-4.325) 17(-0.75,-4.325) 18(-0.25,-4.325) 19(0.25,-4.325) 20(0.75,-4.325) 21(1.25,-4.325) 22(1.75,-4.325) 23(2.25,-4.325) 24(2.75,-4.325) 37(2.75,4.325) 38(2.25,4.325) 39(1.75,4.325) 40(1.25,4.325) 41(0.75,4.325) 42(0.25,4.325) 43(-0.25,4.325) 44(-0.75,4.325) 45(-1.25,4.325) 46(-1.75,4.325) 47(-2.25,4.325) 48(-2.75,4.325)
  silkscreen extent -4.45,-3.1 3.1,3.6, body extent -3.5,-3.5 3.5,3.5, height 1.6
WURTH_651005136521 [mm] "Mini USB Type B Horizontal 5 Contacts"
  round 1.2 hole 0.6: 1(-1.6,0) 2(-0.8,-1.2) 3(0,0) 4(0.8,-1.2) 5(1.6,0)
  oval 1.6x2.3 hole 0.9 slot 1.6 at 90 deg: 6(-3.65,-0.9) 6(-3.65,-5.55) 6(3.65,-0.9) 6(3.65,-5.55)
  silkscreen extent -3.85,-8.7 3.85,-0.9, body extent -4.07,-8.7 4.08,0.13, height 3.9
XTAL_5.0*3.2 [mm]
  rect 1.7x2.4 smd: 1(-2.2,0) 2(2.2,0)
  silkscreen extent -3,-1.7 3,1.7, body extent -3.05,-1.8 3.05,1.7, height 1.44
XTAL_TXC_7A [mm] "2 Pins, 3.2x5mm, SMD Glass Seam Sealing Crystal, 7A Serie"
  rect 1.7x2.4 smd: 1(-1.85,0) 2(1.85,0)
  silkscreen extent -2.3,-1.6 2.3,1.6, body extent -2.5,-1.6 2.5,1.6, height 1.2

## Part data
C1 C2 C5 C6 C7 C8 C9 C11 C12 C13 C14 C15 C25 C27 C29 C30 C31 C59 C62 C63: library part CC0201_100NF_6.3V_10%_X5R, "Non-polarised capacitor"
C3 C4: library part CC0402_12PF_50V_5%_C0G, "Non-polarised capacitor"
C10 C16 C26: library part CC0805_10UF_10V_10%_X7R, "Non-polarised capacitor"
C17 C18: library part CC0603_2.2UF_10V_20%_X7R, "Non-polarised capacitor"
C19 C20 C24 C28 C38_1 C38_2 C38_3 C38_4 C38_5 C38_6 C38_7 C38_8 C40_1 C40_2 C40_3 C40_4 C40_5 C40_6 C40_7 C40_8 C41_1 C41_2 C41_3 C41_4 C41_5 C41_6 C41_7 C41_8: library part CC0603_10NF_50V_5%_C0G, "Non-polarised capacitor"
C21 C22: library part CC0402_22PF_50V_5%_NP0, "Non-polarised capacitor"
C23: library part CC0603_4.7UF_16V_10%_X5R, "Non-polarised capacitor"
C32_1 C32_2 C32_3 C32_4 C32_5 C32_6 C32_7 C32_8: library part CC1206_4.7UF_50V_+80%-20%_Y5V, "Non-polarised capacitor"
C33_1 C33_2 C33_3 C33_4 C33_5 C33_6 C33_7 C33_8 C34_1 C34_2 C34_3 C34_4 C34_5 C34_6 C34_7 C34_8 C36_1 C36_2 C36_3 C36_4 C36_5 C36_6 C36_7 C36_8 C37_1 C37_2 C37_3 C37_4 C37_5 C37_6 C37_7 C37_8: library part CC0805_1UF_50V_10%_X7R, "Non-polarised capacitor"
C35_1 C35_2 C35_3 C35_4 C35_5 C35_6 C35_7 C35_8 C42_1 C42_2 C42_3 C42_4 C42_5 C42_6 C42_7 C42_8: library part CC1206_10UF_16V_10%_X7R, "Non-polarised capacitor"
C39_1 C39_2 C39_3 C39_4 C39_5 C39_6 C39_7 C39_8 C43_1 C43_2 C43_3 C43_4 C43_5 C43_6 C43_7 C43_8 C44_1 C44_2 C44_3 C44_4 C44_5 C44_6 C44_7 C44_8 C45_1 C45_2 C45_3 C45_4 C45_5 C45_6 C45_7 C45_8 C46_1 C46_2 C46_3 C46_4 C46_5 C46_6 C46_7 C46_8 C47_1 C47_2 C47_3 C47_4 C47_5 C47_6 C47_7 C47_8 C49_1 C49_2 C49_3 C49_4 C49_5 C49_6 C49_7 C49_8 C50_1 C50_2 C50_3 C50_4 C50_5 C50_6 C50_7 C50_8 C51_1 C51_2 C51_3 C51_4 C51_5 C51_6 C51_7 C51_8 C52 C53 C60_1 C60_2 C60_3 C60_4 C60_5 C60_6 C60_7 C60_8: library part CC0402_100NF_16V_10%_X7R, "Non-polarised capacitor"
C48_1 C48_2 C48_3 C48_4 C48_5 C48_6 C48_7 C48_8: library part CC0402_NO-VALUE, "Non-polarised capacitor"
C54 C56 C58: library part CC0805_22UF_16V_10%_X5R, "Non-polarised capacitor"
C55 C57: library part CC0402_100NF_16V_10%_X5R, "Non-polarised capacitor"
C61: library part CAE1900-1680_4700UF_16V_20%, "Polarised capacitor"
CON1_1 CON1_2 CON1_3 CON1_4 CON1_5 CON1_6 CON1_7 CON1_8: library part CON_DB15HD_F_V, "High Density D-SUB (Maritex)"
D1: "Diode Schottky  Anode Pin 1 Cathode Pin 3 (Pas de pin 2)"
D2_1 D2_2 D2_3 D2_4 D2_5 D2_6 D2_7 D2_8 D3: "Schottky Diode"
D4: "Ultra Low Capacitance Double Rail-to-Rail ESD Protection Diode"
F1_1 F1_2 F1_3 F1_4 F1_5 F1_6 F1_7 F1_8: library part FUSR1210_TYCO-MICROSMD005F, "Fuse"
FB1 FB2 FB3 FB4 FB5: library part IND0805_MURATA_BLM21PG221SN1D, "Inductor"
IC1: "ARM Cortex-M4 32-bit MCU+FPU, 210 DMIPS, 1024 kB Flash, 192 kB Internal RAM, 114 I/Os, 144-pin LQFP, -40 to 85 degC, Tray"
IC2: library part VMON_STM809, "2.93V  Reset circuit"
IC3 IC4 IC5: "8-Bit Shift Register With 3-State Output Register"
IC6_1 IC6_2 IC6_3 IC6_4 IC6_5 IC6_6 IC6_7 IC6_8 IC7_1 IC7_2 IC7_3 IC7_4 IC7_5 IC7_6 IC7_7 IC7_8 IC8_1 IC8_2 IC8_3 IC8_4 IC8_5 IC8_6 IC8_7 IC8_8: "Current Shunt Monitor -16V to +80V Common-Mode Range"
IC9_1 IC9_2 IC9_3 IC9_4 IC9_5 IC9_6 IC9_7 IC9_8: library part CMP-0003-02162-1, "12-Bit, 4-Channel Mux Input SAR ADC with Intelligent System Power Control, -40 to 85 degC, 16-pin QFN (RTE16), Green (RoHS & no Sb/Br)"
IC10: library part REF_MCP1525, "2.5 voltage reference"
IC11: "Low Voltage 8-Channel I2C Switch With Reset"
IC12: "4.75-28VDC to 1-6VDC, 500mA Step-Down Converter With Sleep Mode"
IC13_1 IC13_2 IC13_3 IC13_4 IC13_5 IC13_6 IC13_7 IC13_8: "200mA, Low Noise, Low Dropout Negative Micropower Regulator"
IC14_1 IC14_2 IC14_3 IC14_4 IC14_5 IC14_6 IC14_7 IC14_8: "Simple Power Sequencer"
IC15_1 IC15_2 IC15_3 IC15_4 IC15_5 IC15_6 IC15_7 IC15_8: "+2.7 V to +5.5 V, I2C Interface (Receive Only), Voltage Output, 12-Bit Digital-To-Analog Converter"
IC16: "Quad Operational Amplifier"
IC17: "Precision Reference 1=Adj 2=Cathode 3=Anode"
J1: library part TYCO_5-6605308-1, "1 Port, Yellow/Green LEDs, RJ45 10/100Base-T Ethernet, Mag45 Connector Module With Integrated Magnetics"
J2 J4: library part 3M_N2530-6002RB, "Connector 30 Male"
J3: library part PHOENIX_1755765, "Connector 5 Male"
J5: library part WURTH_651005136521, "5 Pin + 1 Shield USB Receptacle"
JP1: library part "CON_2x5 1.27 SMT Male", "1.27 mm dual row goldpin (Maritex)"
JP2: library part JUMPER, "Jumper"
L1 L2: library part IND_10UH_10%_MURATA-PS_8400, "Inductor With Core"
L3: library part IND_MURATA_DLW21SN900SQ2L, "Inductor Common Mode"
LD1 LD2 LD3 LD4 LD5 LD6 LD7 LD8: library part LED_MENTOR_1882.2781, "LED x3 G-1C2A-BOT_Y-3C4A_R-5C6A-TOP"
LD9 LD10 LD11 LD12_1 LD12_2 LD12_3 LD12_4 LD12_5 LD12_6 LD12_7 LD12_8 LD13_1 LD13_2 LD13_3 LD13_4 LD13_5 LD13_6 LD13_7 LD13_8 LD14_1 LD14_2 LD14_3 LD14_4 LD14_5 LD14_6 LD14_7 LD14_8 LD16 LD17 LD18 LD19: library part "LED_OSRAM_LG L29K-G2J1-24-Z", "LED Green 1C 2A"
LD15_1 LD15_2 LD15_3 LD15_4 LD15_5 LD15_6 LD15_7 LD15_8: library part "LED_OSRAM_LS Q976-NR-1", "LED Red 1C 2A"
PB1: library part PB_TYCO_FSMSM, "Push-Button Switch SPDT"
PB2 PB3: library part PB_TYCO_1-1825027-1, "Push-Button Switch SPDT"
Q1: library part XTAL_8MHZ_TXC_7A-8.000MAAE-T, "Quartz Crystal"
R1 R2 R3 R4 R6 R40_1 R40_2 R40_3 R40_4 R40_5 R40_6 R40_7 R40_8 R41_1 R41_2 R41_3 R41_4 R41_5 R41_6 R41_7 R41_8 R42_1 R42_2 R42_3 R42_4 R42_5 R42_6 R42_7 R42_8 R50_1 R50_2 R50_3 R50_4 R50_5 R50_6 R50_7 R50_8 R51_1 R51_2 R51_3 R51_4 R51_5 R51_6 R51_7 R51_8 R52_1 R52_2 R52_3 R52_4 R52_5 R52_6 R52_7 R52_8 R57_1 R57_2 R57_3 R57_4 R57_5 R57_6 R57_7 R57_8 R58_1 R58_2 R58_3 R58_4 R58_5 R58_6 R58_7 R58_8 R59_1 R59_2 R59_3 R59_4 R59_5 R59_6 R59_7 R59_8 R85_1 R85_2 R85_3 R85_4 R85_5 R85_6 R85_7 R85_8 R86_1 R86_2 R86_3 R86_4 R86_5 R86_6 R86_7 R86_8 R88_1 R88_2 R88_3 R88_4 R88_5 R88_6 R88_7 R88_8 R89_1 R89_2 R89_3 R89_4 R89_5 R89_6 R89_7 R89_8 R92 R93 R104_1 R104_2 R104_3 R104_4 R104_5 R104_6 R104_7 R104_8 R106_1 R106_2 R106_3 R106_4 R106_5 R106_6 R106_7 R106_8 R108 R109 R112 R113: library part R0402_10K_1%_0.0625W_100PPM, "Resistor - 1%"
R5 R7 R8 R11 R12: library part R0402_49R9_1%_0.0625W_100PPM, "Resistor - 1%"
R9: library part R0402_10R_1%_0.0625W_200PPM, "Resistor - 1%"
R10: library part R0603_12K4_0.1%_0.063W_10PPM, "Resistor - 0.1%"
R13 R14 R15 R16 R17 R18 R19 R20 R21 R22 R23 R24 R25 R26 R27 R28 R29 R30 R31 R32 R33 R34 R35 R36 R45_1 R45_2 R45_3 R45_4 R45_5 R45_6 R45_7 R45_8 R53_1 R53_2 R53_3 R53_4 R53_5 R53_6 R53_7 R53_8 R54_1 R54_2 R54_3 R54_4 R54_5 R54_6 R54_7 R54_8 R55_1 R55_2 R55_3 R55_4 R55_5 R55_6 R55_7 R55_8 R56_1 R56_2 R56_3 R56_4 R56_5 R56_6 R56_7 R56_8 R84_1 R84_2 R84_3 R84_4 R84_5 R84_6 R84_7 R84_8 R107_1 R107_2 R107_3 R107_4 R107_5 R107_6 R107_7 R107_8: library part R0603_330R_1%_0.1W_100PPM, "Resistor - 1%"
R37_1 R37_2 R37_3 R37_4 R37_5 R37_6 R37_7 R37_8: library part R1206_0R02_1%_1W_150PPM, "Resistor - 1%"
R38_1 R38_2 R38_3 R38_4 R38_5 R38_6 R38_7 R38_8: library part R1206_4R7_1%_0.25W_200PPM, "Resistor - 1%"
R39_1 R39_2 R39_3 R39_4 R39_5 R39_6 R39_7 R39_8: library part R1206_0R1_1%_0.25W_100PPM_YAGEO_PT, "Resistor - 1%"
R43_1 R43_2 R43_3 R43_4 R43_5 R43_6 R43_7 R43_8 R44_1 R44_2 R44_3 R44_4 R44_5 R44_6 R44_7 R44_8 R46_1 R46_2 R46_3 R46_4 R46_5 R46_6 R46_7 R46_8 R47_1 R47_2 R47_3 R47_4 R47_5 R47_6 R47_7 R47_8 R48_1 R48_2 R48_3 R48_4 R48_5 R48_6 R48_7 R48_8 R49_1 R49_2 R49_3 R49_4 R49_5 R49_6 R49_7 R49_8 R90_1 R90_2 R90_3 R90_4 R90_5 R90_6 R90_7 R90_8: library part R0402_82R_1%_0.0625W_100PPM, "Resistor - 1%"
R60 R61 R62 R63 R64 R65 R68 R70 R71 R72 R73 R74 R75 R76 R77 R78 R79 R80 R99 R100 R101 R102 R103 R111: library part R0402_2K2_1%_0.0625W_100PPM, "Resistor - 1%"
R66 R67 R69 R83: library part R0402_0R_JUMPER, "Resistor"
R81: library part R0603_270K_1%_0.1W_100PPM, "Resistor - 1%"
R82: library part R0603_82K_1%_0.1W_100PPM, "Resistor - 1%"
R87_1 R87_2 R87_3 R87_4 R87_5 R87_6 R87_7 R87_8 R91 R105_1 R105_2 R105_3 R105_4 R105_5 R105_6 R105_7 R105_8 R110: library part R0603_56K_1%_0.1W_100PPM, "Resistor - 1%"
R94: library part R0603_18K_1%_0.1W_100PPM, "Resistor - 1%"
R95: library part R0603_13K_1%_0.1W_100PPM, "Resistor - 1%"
R96: library part R0603_20K_1%_0.1W_100PPM, "Resistor - 1%"
R97: library part R0603_1K_1%_0.1W_100PPM, "Resistor - 1%"
R98: library part R0603_7K5_0.1%_0.063W_10PPM, "Resistor - 0.1%"
T1_1 T1_2 T1_3 T1_4 T1_5 T1_6 T1_7 T1_8 T3_1 T3_2 T3_3 T3_4 T3_5 T3_6 T3_7 T3_8: "P-CHANNEL MOSFET WITH DIODE"